# EAGLE board Mk4 Final Panel (EAGLE 9.0.1), part 15 of 18 (continued)
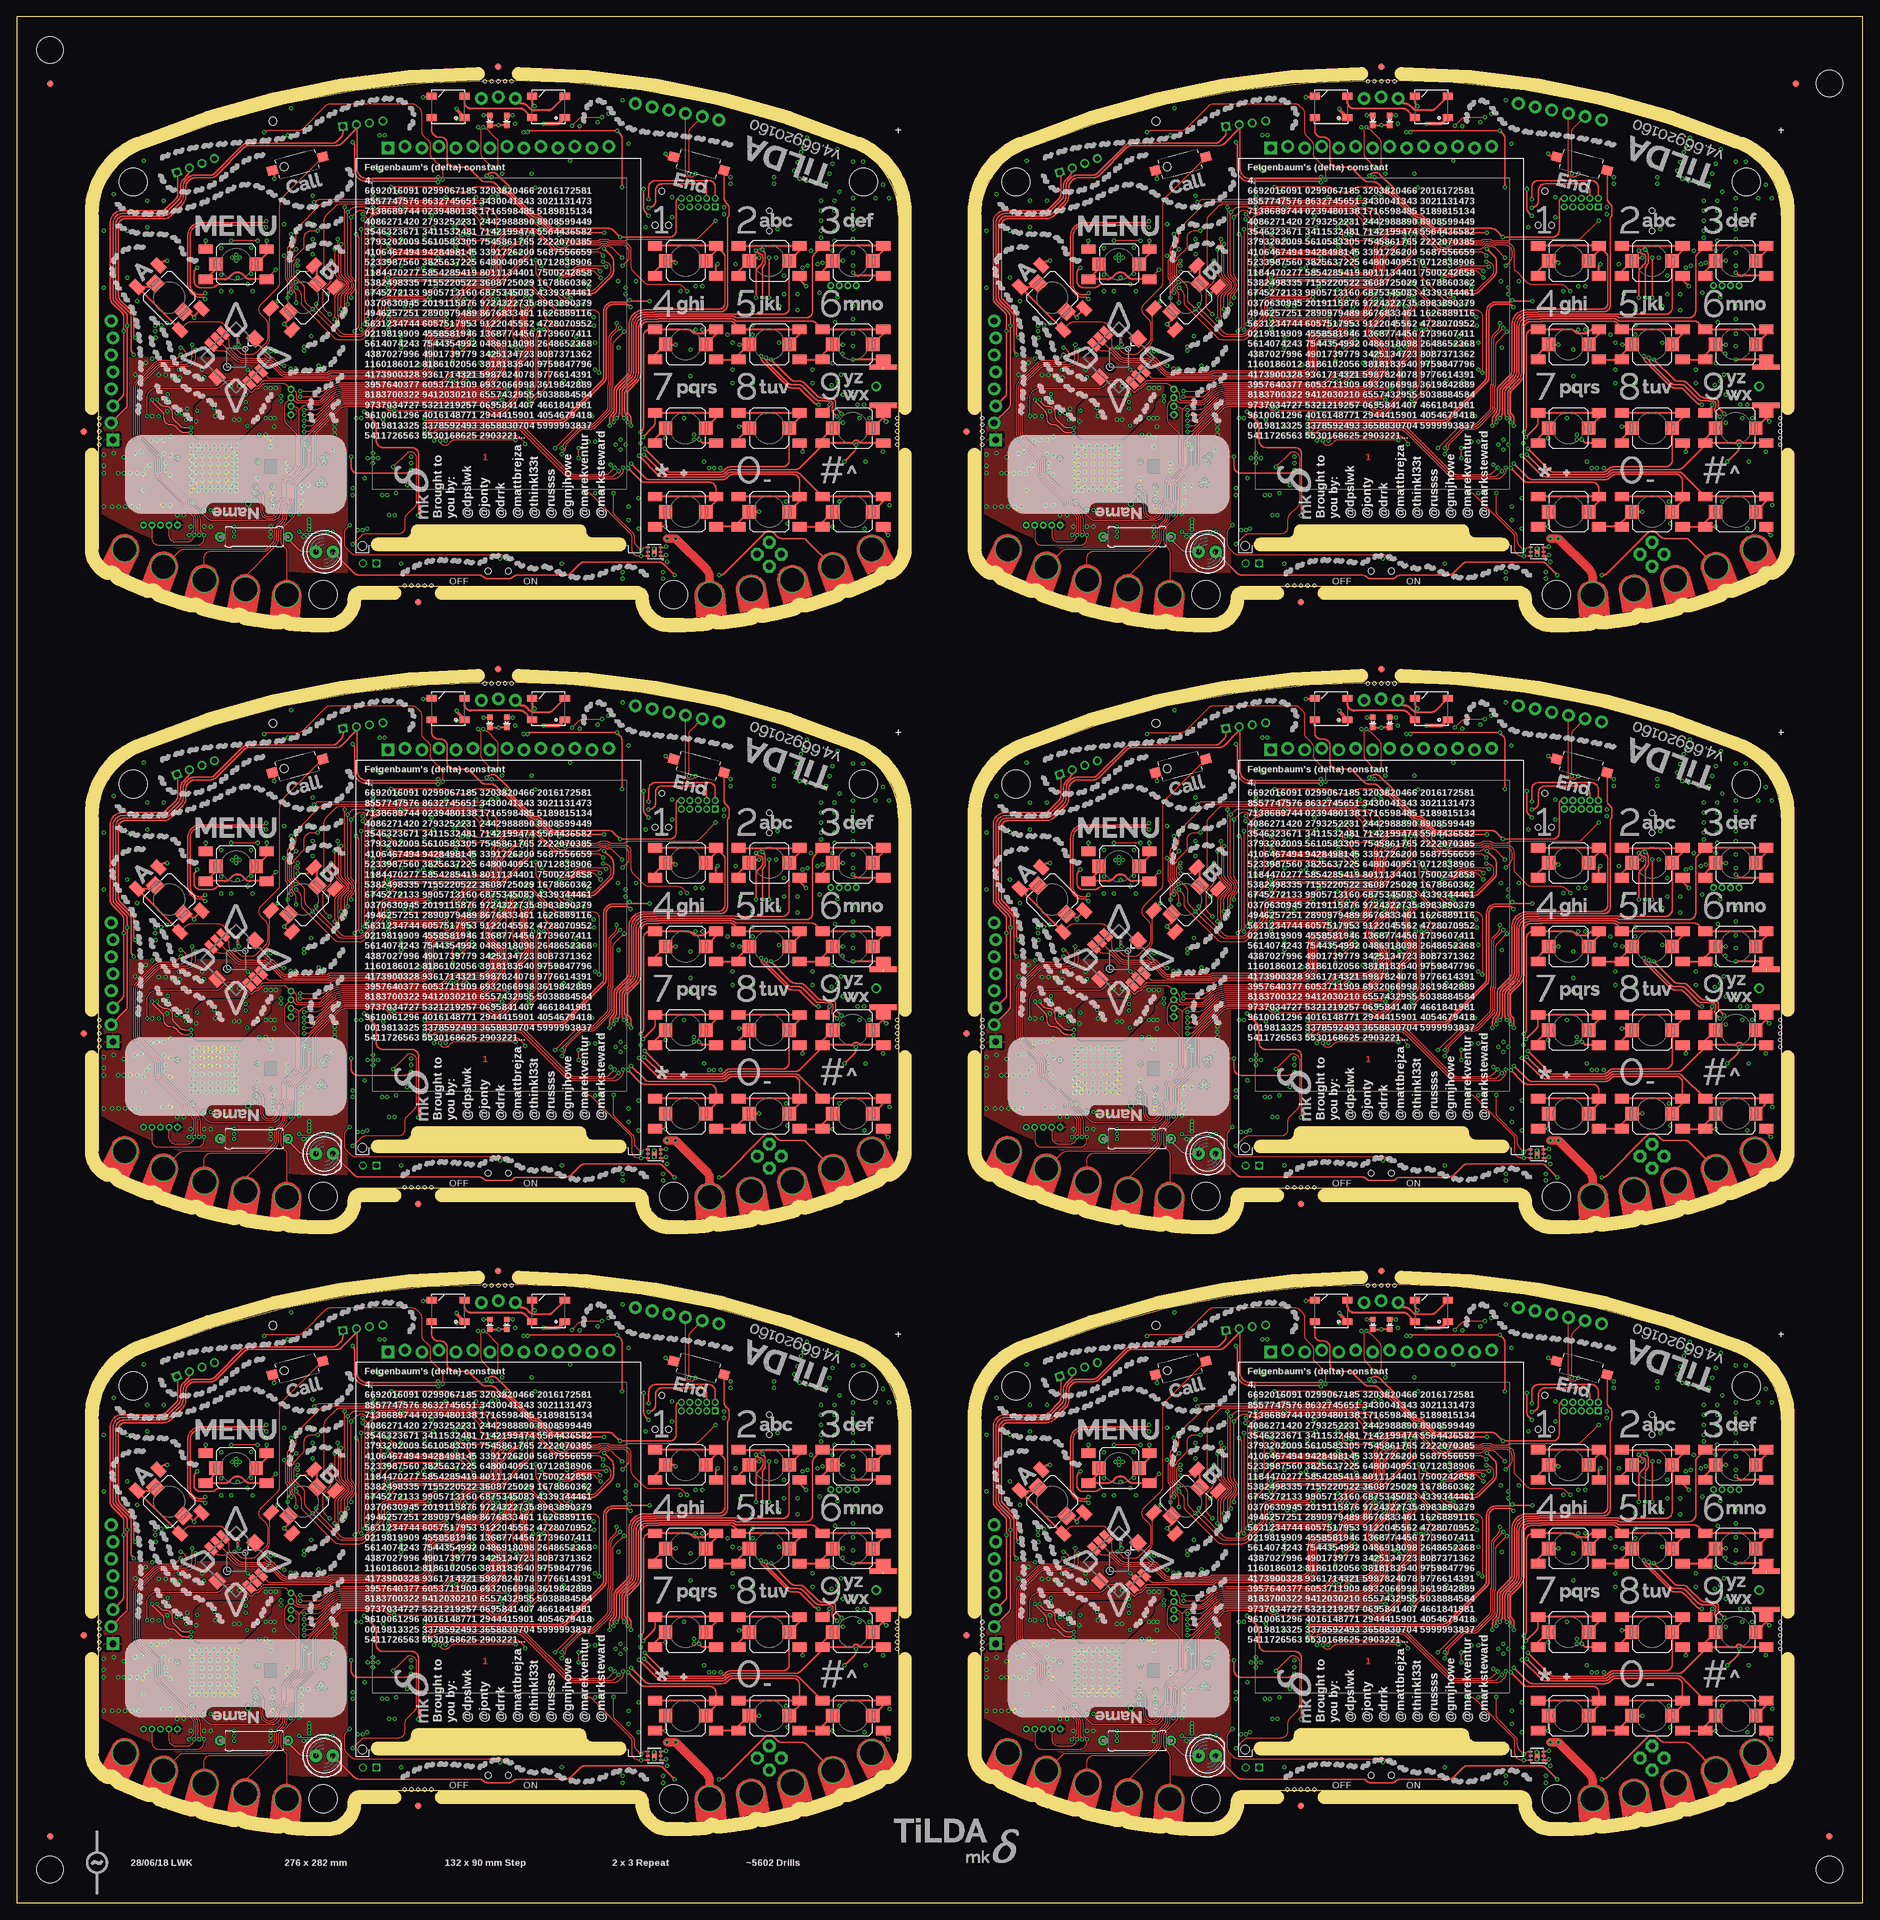
[diagram p0: board, top side]
## Tracks (layer width: path | path; a pad name or v marks a point on that pad's centre or on a via) (continued)
SSI3_FSS4  (via drill 0.3)
  3V3@2 0.15: v83.6,234.2 83.6,234.6 83.6,234.7 85.95,237.06 v86.25,237.06
  Bottom 0.15: IC74.6 76.2,234.9 arc90 77.2,233.9 82.49,233.9 arc45 82.85,234.05 82.85,234.05 arc-45 83.21,234.2 v83.6,234.2 | v86.25,237.06 IC76.1
SSI3_FSS5  (via drill 0.3)
  3V3@2 0.15: v215.6,234.2 215.6,234.6 215.6,234.7 217.96,237.06 v218.25,237.06
  Bottom 0.15: IC92.6 208.2,234.9 arc90 209.2,233.9 214.49,233.9 arc45 214.85,234.05 214.85,234.05 arc-45 215.21,234.2 v215.6,234.2 | v218.25,237.06 IC94.1
SW
  Bottom 0.25: IC9.6 45.1,26.35
  Bottom 0.5: 45.1,26.35 L4.1
SW1
  Bottom 0.25: IC33.6 177.1,26.35
  Bottom 0.5: 177.1,26.35 L11.1
SW2
  Bottom 0.25: IC51.6 45.1,116.35
  Bottom 0.5: 45.1,116.35 L20.1
SW3
  Bottom 0.25: IC69.6 177.1,116.35
  Bottom 0.5: 177.1,116.35 L29.1
SW4
  Bottom 0.25: IC87.6 45.1,206.35
  Bottom 0.5: 45.1,206.35 L38.1
SW5
  Bottom 0.25: IC105.6 177.1,206.35
  Bottom 0.5: 177.1,206.35 L47.1
SWCLK  (via drill 0.3)
  Top 0.2: J3.4 103.17,76 arc90 102.17,77 96.5,77 arc90 95.5,76 95.5,74.45 arc-90 94.55,73.5 v94.5,73.45
  Bottom 0.2: IC1.100 82.59,70 arc45 83.29,70.29 84.21,71.21 arc-45 84.91,71.5 90.69,71.5 arc45 91.39,71.79 92.76,73.16 arc-45 93.46,73.45 v94.5,73.45 94.59,73.36 JP4.4
SWCLK1  (via drill 0.3)
  Top 0.2: J13.4 235.17,76 arc90 234.17,77 228.5,77 arc90 227.5,76 227.5,74.45 arc-90 226.55,73.5 v226.5,73.45
  Bottom 0.2: IC20.100 214.59,70 arc45 215.29,70.29 216.21,71.21 arc-45 216.91,71.5 222.69,71.5 arc45 223.39,71.79 224.76,73.16 arc-45 225.46,73.45 v226.5,73.45 226.59,73.36 JP10.4
SWCLK2  (via drill 0.3)
  Top 0.2: J23.4 103.17,166 arc90 102.17,167 96.5,167 arc90 95.5,166 95.5,164.45 arc-90 94.55,163.5 v94.5,163.45
  Bottom 0.2: IC38.100 82.59,160 arc45 83.29,160.29 84.21,161.21 arc-45 84.91,161.5 90.69,161.5 arc45 91.39,161.79 92.76,163.16 arc-45 93.46,163.45 v94.5,163.45 94.59,163.36 JP19.4
SWCLK3  (via drill 0.3)
  Top 0.2: J33.4 235.17,166 arc90 234.17,167 228.5,167 arc90 227.5,166 227.5,164.45 arc-90 226.55,163.5 v226.5,163.45
  Bottom 0.2: IC56.100 214.59,160 arc45 215.29,160.29 216.21,161.21 arc-45 216.91,161.5 222.69,161.5 arc45 223.39,161.79 224.76,163.16 arc-45 225.46,163.45 v226.5,163.45 226.59,163.36 JP28.4
SWCLK4  (via drill 0.3)
  Top 0.2: J43.4 103.17,256 arc90 102.17,257 96.5,257 arc90 95.5,256 95.5,254.45 arc-90 94.55,253.5 v94.5,253.45
  Bottom 0.2: IC74.100 82.59,250 arc45 83.29,250.29 84.21,251.21 arc-45 84.91,251.5 90.69,251.5 arc45 91.39,251.79 92.76,253.16 arc-45 93.46,253.45 v94.5,253.45 94.59,253.36 JP37.4
SWCLK5  (via drill 0.3)
  Top 0.2: J53.4 235.17,256 arc90 234.17,257 228.5,257 arc90 227.5,256 227.5,254.45 arc-90 226.55,253.5 v226.5,253.45
  Bottom 0.2: IC92.100 214.59,250 arc45 215.29,250.29 216.21,251.21 arc-45 216.91,251.5 222.69,251.5 arc45 223.39,251.79 224.76,253.16 arc-45 225.46,253.45 v226.5,253.45 226.59,253.36 JP46.4
SWDIO  (via drill 0.3)
  Top 0.2: J3.2 104.44,76.5 arc90 103.44,77.5 95.5,77.5 arc90 94.5,76.5 v94.5,74.7
  Bottom 0.2: IC1.99 82.49,70.4 arc45 83.19,70.69 84.06,71.56 arc-45 84.76,71.85 90.44,71.85 arc45 91.14,72.14 93.41,74.41 arc-45 94.11,74.7 v94.5,74.7 94.57,74.63 JP4.2
SWDIO1  (via drill 0.3)
  Top 0.2: J13.2 236.44,76.5 arc90 235.44,77.5 227.5,77.5 arc90 226.5,76.5 v226.5,74.7
  Bottom 0.2: IC20.99 214.49,70.4 arc45 215.19,70.69 216.06,71.56 arc-45 216.76,71.85 222.44,71.85 arc45 223.14,72.14 225.41,74.41 arc-45 226.11,74.7 v226.5,74.7 226.57,74.63 JP10.2
SWDIO2  (via drill 0.3)
  Top 0.2: J23.2 104.44,166.5 arc90 103.44,167.5 95.5,167.5 arc90 94.5,166.5 v94.5,164.7
  Bottom 0.2: IC38.99 82.49,160.4 arc45 83.19,160.69 84.06,161.56 arc-45 84.76,161.85 90.44,161.85 arc45 91.14,162.14 93.41,164.41 arc-45 94.11,164.7 v94.5,164.7 94.57,164.63 JP19.2
SWDIO3  (via drill 0.3)
  Top 0.2: J33.2 236.44,166.5 arc90 235.44,167.5 227.5,167.5 arc90 226.5,166.5 v226.5,164.7
  Bottom 0.2: IC56.99 214.49,160.4 arc45 215.19,160.69 216.06,161.56 arc-45 216.76,161.85 222.44,161.85 arc45 223.14,162.14 225.41,164.41 arc-45 226.11,164.7 v226.5,164.7 226.57,164.63 JP28.2
SWDIO4  (via drill 0.3)
  Top 0.2: J43.2 104.44,256.5 arc90 103.44,257.5 95.5,257.5 arc90 94.5,256.5 v94.5,254.7
  Bottom 0.2: IC74.99 82.49,250.4 arc45 83.19,250.69 84.06,251.56 arc-45 84.76,251.85 90.44,251.85 arc45 91.14,252.14 93.41,254.41 arc-45 94.11,254.7 v94.5,254.7 94.57,254.63 JP37.2
SWDIO5  (via drill 0.3)
  Top 0.2: J53.2 236.44,256.5 arc90 235.44,257.5 227.5,257.5 arc90 226.5,256.5 v226.5,254.7
  Bottom 0.2: IC92.99 214.49,250.4 arc45 215.19,250.69 216.06,251.56 arc-45 216.76,251.85 222.44,251.85 arc45 223.14,252.14 225.41,254.41 arc-45 226.11,254.7 v226.5,254.7 226.57,254.63 JP46.2
SWO  (via drill 0.3)
  Top 0.2: v93.75,76.25 93.75,73.41 arc45 94.04,72.71 v94.5,72.25
  Bottom 0.2: J3.6 101.9,76.3 arc90 100.9,77.3 95.16,77.3 arc45 94.46,77.01 93.75,76.3 v93.75,76.25 93.75,75.75 90.89,72.89 arc-45 90.19,72.6 84.51,72.6 arc45 83.81,72.31 82.99,71.49 arc-45 82.29,71.2 81.78,71.2 arc-45 81.43,71.35 81.37,71.4 arc45 81.02,71.55 81,71.55 80.98,71.55 arc45 80.63,71.4 80.57,71.35 arc-45 80.22,71.2 IC1.97 | JP4.6 94.66,72.09 v94.5,72.25
SWO1  (via drill 0.3)
  Top 0.2: v225.75,76.25 225.75,73.41 arc45 226.04,72.71 v226.5,72.25
  Bottom 0.2: J13.6 233.9,76.3 arc90 232.9,77.3 227.16,77.3 arc45 226.46,77.01 225.75,76.3 v225.75,76.25 225.75,75.75 222.89,72.89 arc-45 222.19,72.6 216.51,72.6 arc45 215.81,72.31 214.99,71.49 arc-45 214.29,71.2 213.78,71.2 arc-45 213.43,71.35 213.37,71.4 arc45 213.02,71.55 213,71.55 212.98,71.55 arc45 212.63,71.4 212.57,71.35 arc-45 212.22,71.2 IC20.97 | JP10.6 226.66,72.09 v226.5,72.25
SWO2  (via drill 0.3)
  Top 0.2: v93.75,166.25 93.75,163.41 arc45 94.04,162.71 v94.5,162.25
  Bottom 0.2: J23.6 101.9,166.3 arc90 100.9,167.3 95.16,167.3 arc45 94.46,167.01 93.75,166.3 v93.75,166.25 93.75,165.75 90.89,162.89 arc-45 90.19,162.6 84.51,162.6 arc45 83.81,162.31 82.99,161.49 arc-45 82.29,161.2 81.78,161.2 arc-45 81.43,161.35 81.37,161.4 arc45 81.02,161.55 81,161.55 80.98,161.55 arc45 80.63,161.4 80.57,161.35 arc-45 80.22,161.2 IC38.97 | JP19.6 94.66,162.09 v94.5,162.25
SWO3  (via drill 0.3)
  Top 0.2: v225.75,166.25 225.75,163.41 arc45 226.04,162.71 v226.5,162.25
  Bottom 0.2: J33.6 233.9,166.3 arc90 232.9,167.3 227.16,167.3 arc45 226.46,167.01 225.75,166.3 v225.75,166.25 225.75,165.75 222.89,162.89 arc-45 222.19,162.6 216.51,162.6 arc45 215.81,162.31 214.99,161.49 arc-45 214.29,161.2 213.78,161.2 arc-45 213.43,161.35 213.37,161.4 arc45 213.02,161.55 213,161.55 212.98,161.55 arc45 212.63,161.4 212.57,161.35 arc-45 212.22,161.2 IC56.97 | JP28.6 226.66,162.09 v226.5,162.25
SWO4  (via drill 0.3)
  Top 0.2: v93.75,256.25 93.75,253.41 arc45 94.04,252.71 v94.5,252.25
  Bottom 0.2: J43.6 101.9,256.3 arc90 100.9,257.3 95.16,257.3 arc45 94.46,257.01 93.75,256.3 v93.75,256.25 93.75,255.75 90.89,252.89 arc-45 90.19,252.6 84.51,252.6 arc45 83.81,252.31 82.99,251.49 arc-45 82.29,251.2 81.78,251.2 arc-45 81.43,251.35 81.37,251.4 arc45 81.02,251.55 81,251.55 80.98,251.55 arc45 80.63,251.4 80.57,251.35 arc-45 80.22,251.2 IC74.97 | JP37.6 94.66,252.09 v94.5,252.25
SWO5  (via drill 0.3)
  Top 0.2: v225.75,256.25 225.75,253.41 arc45 226.04,252.71 v226.5,252.25
  Bottom 0.2: J53.6 233.9,256.3 arc90 232.9,257.3 227.16,257.3 arc45 226.46,257.01 225.75,256.3 v225.75,256.25 225.75,255.75 222.89,252.89 arc-45 222.19,252.6 216.51,252.6 arc45 215.81,252.31 214.99,251.49 arc-45 214.29,251.2 213.78,251.2 arc-45 213.43,251.35 213.37,251.4 arc45 213.02,251.55 213,251.55 212.98,251.55 arc45 212.63,251.4 212.57,251.35 arc-45 212.22,251.2 IC92.97 | JP46.6 226.66,252.09 v226.5,252.25
T3CCPO_WS1  (via drill 0.3)
  Top 0.2: v219.8,67.3 220.91,66.19 arc-45 221.2,65.49 221.2,63.91 arc-45 220.91,63.21 218.59,60.89 arc-45 217.89,60.6 v214.3,60.6 | v219.8,69.7 213.71,69.7 arc-45 213.57,69.76 213.39,69.94 arc45 213.25,70 212.32,70 arc-45 211.61,70.29 210,71.9 arc45 209.65,72.05 209.52,72.05 arc-45 208.82,72.34 205.46,75.7 arc45 205.21,75.8 arc-45 204.51,76.09 203.59,77.01 arc45 202.89,77.3 202.11,77.3 arc-45 201.41,77.59 199.79,79.21 arc45 199.09,79.5 197.36,79.5 arc-90 196.36,80.5 196.36,83 arc90 195.36,84 195.05,84 arc-90 194.05,85 LED7.4
  Bottom 0.2: v219.8,69.7 v219.8,67.3 | v214.3,60.6 214.17,60.47 arc-45 213.82,60.33 213.57,60.33 arc45 213.22,60.18 213.19,60.15 arc-45 212.83,60 IC20.125
T3CCPO_WS2  (via drill 0.3)
  Top 0.2: v87.8,157.3 88.91,156.19 arc-45 89.2,155.49 89.2,153.91 arc-45 88.91,153.21 86.59,150.89 arc-45 85.89,150.6 v82.3,150.6 | v87.8,159.7 81.71,159.7 arc-45 81.57,159.76 81.39,159.94 arc45 81.25,160 80.32,160 arc-45 79.61,160.29 78,161.9 arc45 77.64,162.05 77.52,162.05 arc-45 76.82,162.34 73.46,165.7 arc45 73.21,165.8 arc-45 72.51,166.09 71.59,167.01 arc45 70.89,167.3 70.11,167.3 arc-45 69.41,167.59 67.79,169.21 arc45 67.09,169.5 65.36,169.5 arc-90 64.36,170.5 64.36,173 arc90 63.36,174 63.05,174 arc-90 62.05,175 LED13.4
  Bottom 0.2: v87.8,159.7 v87.8,157.3 | v82.3,150.6 82.17,150.47 arc-45 81.82,150.32 81.57,150.32 arc45 81.22,150.18 81.19,150.15 arc-45 80.83,150 IC38.125
T3CCPO_WS3  (via drill 0.3)
  Top 0.2: v219.8,157.3 220.91,156.19 arc-45 221.2,155.49 221.2,153.91 arc-45 220.91,153.21 218.59,150.89 arc-45 217.89,150.6 v214.3,150.6 | v219.8,159.7 213.71,159.7 arc-45 213.57,159.76 213.39,159.94 arc45 213.25,160 212.32,160 arc-45 211.61,160.29 210,161.9 arc45 209.65,162.05 209.52,162.05 arc-45 208.82,162.34 205.46,165.7 arc45 205.21,165.8 arc-45 204.51,166.09 203.59,167.01 arc45 202.89,167.3 202.11,167.3 arc-45 201.41,167.59 199.79,169.21 arc45 199.09,169.5 197.36,169.5 arc-90 196.36,170.5 196.36,173 arc90 195.36,174 195.05,174 arc-90 194.05,175 LED19.4
  Bottom 0.2: v219.8,159.7 v219.8,157.3 | v214.3,150.6 214.17,150.47 arc-45 213.82,150.32 213.57,150.32 arc45 213.22,150.18 213.19,150.15 arc-45 212.83,150 IC56.125
T3CCPO_WS4  (via drill 0.3)
  Top 0.2: v87.8,247.3 88.91,246.19 arc-45 89.2,245.49 89.2,243.91 arc-45 88.91,243.21 86.59,240.89 arc-45 85.89,240.6 v82.3,240.6 | v87.8,249.7 81.71,249.7 arc-45 81.57,249.76 81.39,249.94 arc45 81.25,250 80.32,250 arc-45 79.61,250.29 78,251.9 arc45 77.64,252.05 77.52,252.05 arc-45 76.82,252.34 73.46,255.7 arc45 73.21,255.8 arc-45 72.51,256.09 71.59,257.01 arc45 70.89,257.3 70.11,257.3 arc-45 69.41,257.59 67.79,259.21 arc45 67.09,259.5 65.36,259.5 arc-90 64.36,260.5 64.36,263 arc90 63.36,264 63.05,264 arc-90 62.05,265 LED25.4
  Bottom 0.2: v87.8,249.7 v87.8,247.3 | v82.3,240.6 82.17,240.47 arc-45 81.82,240.32 81.57,240.32 arc45 81.22,240.18 81.19,240.15 arc-45 80.83,240 IC74.125
T3CCPO_WS5  (via drill 0.3)
  Top 0.2: v219.8,247.3 220.91,246.19 arc-45 221.2,245.49 221.2,243.91 arc-45 220.91,243.21 218.59,240.89 arc-45 217.89,240.6 v214.3,240.6 | v219.8,249.7 213.71,249.7 arc-45 213.57,249.76 213.39,249.94 arc45 213.25,250 212.32,250 arc-45 211.61,250.29 210,251.9 arc45 209.65,252.05 209.52,252.05 arc-45 208.82,252.34 205.46,255.7 arc45 205.21,255.8 arc-45 204.51,256.09 203.59,257.01 arc45 202.89,257.3 202.11,257.3 arc-45 201.41,257.59 199.79,259.21 arc45 199.09,259.5 197.36,259.5 arc-90 196.36,260.5 196.36,263 arc90 195.36,264 195.05,264 arc-90 194.05,265 LED31.4
  Bottom 0.2: v219.8,249.7 v219.8,247.3 | v214.3,240.6 214.17,240.47 arc-45 213.82,240.32 213.57,240.32 arc45 213.22,240.18 213.19,240.15 arc-45 212.83,240 IC92.125
T3CCPO_WS2812  (via drill 0.3)
  Top 0.2: v87.8,67.3 88.91,66.19 arc-45 89.2,65.49 89.2,63.91 arc-45 88.91,63.21 86.59,60.89 arc-45 85.89,60.6 v82.3,60.6 | v87.8,69.7 81.71,69.7 arc-45 81.57,69.76 81.39,69.94 arc45 81.25,70 80.32,70 arc-45 79.61,70.29 78,71.9 arc45 77.64,72.05 77.52,72.05 arc-45 76.82,72.34 73.46,75.7 arc45 73.21,75.8 arc-45 72.51,76.09 71.59,77.01 arc45 70.89,77.3 70.11,77.3 arc-45 69.41,77.59 67.79,79.21 arc45 67.09,79.5 65.36,79.5 arc-90 64.36,80.5 64.36,83 arc90 63.36,84 63.05,84 arc-90 62.05,85 LED1.4
  Bottom 0.2: v87.8,69.7 v87.8,67.3 | v82.3,60.6 82.17,60.47 arc-45 81.82,60.33 81.57,60.33 arc45 81.22,60.18 81.19,60.15 arc-45 80.83,60 IC1.125
T4CCP0  (via drill 0.3)
  Top 0.15: v77,59.2 76.72,58.92 arc45 76.58,58.57 arc-45 76.46,58.3 76.19,58.03 arc45 75.9,57.32 75.9,54.61 arc45 76.19,53.91 76.42,53.68 arc-45 76.6,53.24 76.62,53.22 76.62,52.55 arc-45 76.19,51.49 75.17,50.47 arc45 74.8,49.58 74.8,45.72 arc-45 74.43,44.83 72.87,43.27 arc-45 71.98,42.9 71.41,42.9 arc-45 70.71,43.19 70.29,43.61 arc45 69.59,43.9 56.26,43.9 arc45 55.9,43.75 v55.8,43.65 55.74,43.71 arc45 55.04,44 49.07,44 arc45 48.19,43.63 44.67,40.11 arc45 44.3,39.23 44.3,35.41 arc-45 44.01,34.71 41.67,32.37 arc45 41.3,31.48 41.3,30.01 arc-45 40.69,28.54 arc45 40.4,27.84 40.4,27.3 arc-45 39.96,26.24 39.52,25.79 arc45 39.15,24.91 39.15,23.97 arc-45 38.71,22.91 34.2,18.4 PCB.CH2
  3V3@2 0.15: PCB.CH2 | v22.4,56.2 22.4,55.9 22,55.5 22,53.5 21,52.5 19.5,52.5 18.6,51.6 18.6,50.6 14.37,46.37 JP6.4
  Bottom 0.15: v55.8,43.65 arc-45 55.29,43.86 52.34,46.81 arc45 50.92,47.4 45.23,47.4 arc-45 44.52,47.69 40.93,51.29 arc-45 40.8,51.6 40.8,51.75 arc90 39.05,53.5 36.06,53.5 arc-45 35.36,53.79 33.76,55.39 arc45 32.52,55.9 23.11,55.9 arc-45 v22.41,56.19 v22.4,56.2
  Bottom 0.2: v77,59.2 77.44,59.63 arc-90 78.14,59.63 78.43,59.35 arc45 78.78,59.2 IC1.127
T4CCP1  (via drill 0.3)
  Top 0.15: PCB.CH1 40.38,21.9 arc45 40.09,22.61 39.74,22.96 arc-45 39.45,23.66 39.45,24.89 arc-45 39.74,25.59 41.27,27.12 arc45 41.6,27.91 41.6,31.46 arc-45 41.89,32.17 44.23,34.51 arc45 44.6,35.39 44.6,39.21 arc-45 44.89,39.92 48.38,43.41 arc-45 49.09,43.7 54.59,43.7 arc-45 55.29,43.41 55.45,43.25 arc45 55.81,43.1 v56.4,43.1 62,43.1 62.05,43.05 69.94,43.05 arc-45 70.64,42.76 arc45 71.02,42.6 72.08,42.6 arc45 73.14,43.04 74.66,44.56 arc45 75.1,45.62 75.1,49.49 arc-45 75.39,50.19 76.41,51.21 arc45 76.92,52.45 76.92,53.34 76.9,53.37 arc45 76.66,53.94 76.49,54.11 arc-45 76.2,54.81 76.2,57.19 arc-45 76.49,57.89 v77.8,59.2
  3V3@2 0.15: v21.6,55.9 21.6,53.6 21,53 19,53 18.25,52.25 18.25,51 16.16,48.91 JP6.5
  Bottom 0.15: v56.4,43.1 55.81,43.1 arc-45 55.45,43.25 52.11,46.59 arc45 50.88,47.1 45.11,47.1 arc-45 44.4,47.39 40.65,51.15 arc-45 40.5,51.5 40.5,51.7 arc90 39,53.2 36.02,53.2 arc-45 35.13,53.57 33.54,55.16 arc45 32.48,55.6 22.31,55.6 arc-45 v21.61,55.89 v21.6,55.9
  Bottom 0.2: IC1.128 78.41,58.8 arc-45 78.05,58.95 v77.8,59.2
T4CCP2  (via drill 0.3)
  Top 0.15: v209,59.2 208.72,58.92 arc45 208.57,58.57 arc-45 208.46,58.3 208.19,58.03 arc45 207.9,57.32 207.9,54.61 arc45 208.19,53.91 208.42,53.68 arc-45 208.6,53.24 208.62,53.22 208.62,52.55 arc-45 208.19,51.49 207.17,50.47 arc45 206.8,49.58 206.8,45.72 arc-45 206.43,44.83 204.87,43.27 arc-45 203.98,42.9 203.41,42.9 arc-45 202.71,43.19 202.29,43.61 arc45 201.59,43.9 188.26,43.9 arc45 187.9,43.75 v187.8,43.65 187.74,43.71 arc45 187.04,44 181.07,44 arc45 180.19,43.63 176.67,40.11 arc45 176.3,39.23 176.3,35.41 arc-45 176.01,34.71 173.67,32.37 arc45 173.3,31.48 173.3,30.01 arc-45 172.69,28.54 arc45 172.4,27.84 172.4,27.3 arc-45 171.96,26.24 171.52,25.79 arc45 171.15,24.91 171.15,23.97 arc-45 170.71,22.91 166.2,18.4 PCB1.CH2
  3V3@2 0.15: PCB1.CH2 | v154.4,56.2 154.4,55.9 154,55.5 154,53.5 153,52.5 151.5,52.5 150.6,51.6 150.6,50.6 146.37,46.37 JP17.4
  Bottom 0.15: v187.8,43.65 arc-45 187.29,43.86 184.34,46.81 arc45 182.92,47.4 177.23,47.4 arc-45 176.52,47.69 172.93,51.29 arc-45 172.8,51.6 172.8,51.75 arc90 171.05,53.5 168.06,53.5 arc-45 167.36,53.79 165.76,55.39 arc45 164.53,55.9 155.11,55.9 arc-45 v154.41,56.19 v154.4,56.2
  Bottom 0.2: v209,59.2 209.44,59.63 arc-90 210.14,59.63 210.43,59.35 arc45 210.78,59.2 IC20.127
T4CCP3  (via drill 0.3)
  Top 0.15: PCB1.CH1 172.38,21.9 arc45 172.09,22.61 171.74,22.96 arc-45 171.45,23.66 171.45,24.89 arc-45 171.74,25.59 173.28,27.12 arc45 173.6,27.91 173.6,31.46 arc-45 173.89,32.17 176.23,34.51 arc45 176.6,35.39 176.6,39.21 arc-45 176.89,39.92 180.38,43.41 arc-45 181.09,43.7 186.59,43.7 arc-45 187.29,43.41 187.45,43.25 arc45 187.81,43.1 v188.4,43.1 194,43.1 194.05,43.05 201.94,43.05 arc-45 202.64,42.76 arc45 203.02,42.6 204.08,42.6 arc45 205.14,43.04 206.66,44.56 arc45 207.1,45.62 207.1,49.49 arc-45 207.39,50.19 208.41,51.21 arc45 208.93,52.45 208.93,53.34 208.9,53.37 arc45 208.66,53.94 208.49,54.11 arc-45 208.2,54.81 208.2,57.19 arc-45 208.49,57.89 v209.8,59.2
  3V3@2 0.15: v153.6,55.9 153.6,53.6 153,53 151,53 150.25,52.25 150.25,51 148.16,48.91 JP17.5
  Bottom 0.15: v188.4,43.1 187.81,43.1 arc-45 187.45,43.25 184.11,46.59 arc45 182.88,47.1 177.11,47.1 arc-45 176.4,47.39 172.65,51.15 arc-45 172.5,51.5 172.5,51.7 arc90 171,53.2 168.02,53.2 arc-45 167.13,53.57 165.54,55.16 arc45 164.48,55.6 154.31,55.6 arc-45 v153.61,55.89 v153.6,55.9
  Bottom 0.2: IC20.128 210.41,58.8 arc-45 210.05,58.95 v209.8,59.2
T4CCP4  (via drill 0.3)
  Top 0.15: v77,149.2 76.72,148.92 arc45 76.58,148.57 arc-45 76.46,148.29 76.19,148.03 arc45 75.9,147.32 75.9,144.61 arc45 76.19,143.91 76.42,143.68 arc-45 76.6,143.24 76.62,143.22 76.62,142.55 arc-45 76.19,141.49 75.17,140.47 arc45 74.8,139.58 74.8,135.72 arc-45 74.43,134.83 72.87,133.27 arc-45 71.98,132.9 71.41,132.9 arc-45 70.71,133.19 70.29,133.61 arc45 69.59,133.9 56.26,133.9 arc45 55.9,133.75 v55.8,133.65 55.74,133.71 arc45 55.04,134 49.07,134 arc45 48.19,133.63 44.67,130.12 arc45 44.3,129.23 44.3,125.41 arc-45 44.01,124.71 41.67,122.37 arc45 41.3,121.48 41.3,120.01 arc-45 40.69,118.54 arc45 40.4,117.84 40.4,117.3 arc-45 39.96,116.24 39.52,115.79 arc45 39.15,114.91 39.15,113.97 arc-45 38.71,112.91 34.2,108.4 PCB2.CH2
  3V3@2 0.15: PCB2.CH2 | v22.4,146.2 22.4,145.9 22,145.5 22,143.5 21,142.5 19.5,142.5 18.6,141.6 18.6,140.6 14.37,136.37 JP26.4
  Bottom 0.15: v55.8,133.65 arc-45 55.29,133.86 52.34,136.81 arc45 50.92,137.4 45.23,137.4 arc-45 44.52,137.69 40.93,141.29 arc-45 40.8,141.6 40.8,141.75 arc90 39.05,143.5 36.06,143.5 arc-45 35.36,143.79 33.76,145.39 arc45 32.52,145.9 23.11,145.9 arc-45 v22.41,146.19 v22.4,146.2
  Bottom 0.2: v77,149.2 77.44,149.63 arc-90 78.14,149.63 78.43,149.35 arc45 78.78,149.2 IC38.127
T4CCP5  (via drill 0.3)
  Top 0.15: PCB2.CH1 40.38,111.9 arc45 40.09,112.61 39.74,112.96 arc-45 39.45,113.66 39.45,114.89 arc-45 39.74,115.59 41.27,117.12 arc45 41.6,117.91 41.6,121.46 arc-45 41.89,122.17 44.23,124.51 arc45 44.6,125.39 44.6,129.21 arc-45 44.89,129.92 48.38,133.41 arc-45 49.09,133.7 54.59,133.7 arc-45 55.29,133.41 55.45,133.25 arc45 55.81,133.1 v56.4,133.1 62,133.1 62.05,133.05 69.94,133.05 arc-45 70.64,132.76 arc45 71.02,132.6 72.08,132.6 arc45 73.14,133.04 74.66,134.56 arc45 75.1,135.62 75.1,139.49 arc-45 75.39,140.19 76.41,141.21 arc45 76.92,142.45 76.92,143.34 76.9,143.37 arc45 76.66,143.94 76.49,144.11 arc-45 76.2,144.81 76.2,147.19 arc-45 76.49,147.89 v77.8,149.2
  3V3@2 0.15: v21.6,145.9 21.6,143.6 21,143 19,143 18.25,142.25 18.25,141 16.16,138.91 JP26.5
  Bottom 0.15: v56.4,133.1 55.81,133.1 arc-45 55.45,133.25 52.11,136.59 arc45 50.88,137.1 45.11,137.1 arc-45 44.4,137.39 40.65,141.15 arc-45 40.5,141.5 40.5,141.7 arc90 39,143.2 36.02,143.2 arc-45 35.13,143.57 33.54,145.16 arc45 32.48,145.6 22.31,145.6 arc-45 v21.61,145.89 v21.6,145.9
  Bottom 0.2: IC38.128 78.41,148.8 arc-45 78.05,148.95 v77.8,149.2
T4CCP6  (via drill 0.3)
  Top 0.15: v209,149.2 208.72,148.92 arc45 208.57,148.57 arc-45 208.46,148.29 208.19,148.03 arc45 207.9,147.32 207.9,144.61 arc45 208.19,143.91 208.42,143.68 arc-45 208.6,143.24 208.62,143.22 208.62,142.55 arc-45 208.19,141.49 207.17,140.47 arc45 206.8,139.58 206.8,135.72 arc-45 206.43,134.83 204.87,133.27 arc-45 203.98,132.9 203.41,132.9 arc-45 202.71,133.19 202.29,133.61 arc45 201.59,133.9 188.26,133.9 arc45 187.9,133.75 v187.8,133.65 187.74,133.71 arc45 187.04,134 181.07,134 arc45 180.19,133.63 176.67,130.12 arc45 176.3,129.23 176.3,125.41 arc-45 176.01,124.71 173.67,122.37 arc45 173.3,121.48 173.3,120.01 arc-45 172.69,118.54 arc45 172.4,117.84 172.4,117.3 arc-45 171.96,116.24 171.52,115.79 arc45 171.15,114.91 171.15,113.97 arc-45 170.71,112.91 166.2,108.4 PCB3.CH2
  3V3@2 0.15: PCB3.CH2 | v154.4,146.2 154.4,145.9 154,145.5 154,143.5 153,142.5 151.5,142.5 150.6,141.6 150.6,140.6 146.37,136.37 JP35.4
  Bottom 0.15: v187.8,133.65 arc-45 187.29,133.86 184.34,136.81 arc45 182.92,137.4 177.23,137.4 arc-45 176.52,137.69 172.93,141.29 arc-45 172.8,141.6 172.8,141.75 arc90 171.05,143.5 168.06,143.5 arc-45 167.36,143.79 165.76,145.39 arc45 164.53,145.9 155.11,145.9 arc-45 v154.41,146.19 v154.4,146.2
  Bottom 0.2: v209,149.2 209.44,149.63 arc-90 210.14,149.63 210.43,149.35 arc45 210.78,149.2 IC56.127
T4CCP7  (via drill 0.3)
  Top 0.15: PCB3.CH1 172.38,111.9 arc45 172.09,112.61 171.74,112.96 arc-45 171.45,113.66 171.45,114.89 arc-45 171.74,115.59 173.28,117.12 arc45 173.6,117.91 173.6,121.46 arc-45 173.89,122.17 176.23,124.51 arc45 176.6,125.39 176.6,129.21 arc-45 176.89,129.92 180.38,133.41 arc-45 181.09,133.7 186.59,133.7 arc-45 187.29,133.41 187.45,133.25 arc45 187.81,133.1 v188.4,133.1 194,133.1 194.05,133.05 201.94,133.05 arc-45 202.64,132.76 arc45 203.02,132.6 204.08,132.6 arc45 205.14,133.04 206.66,134.56 arc45 207.1,135.62 207.1,139.49 arc-45 207.39,140.19 208.41,141.21 arc45 208.93,142.45 208.93,143.34 208.9,143.37 arc45 208.66,143.94 208.49,144.11 arc-45 208.2,144.81 208.2,147.19 arc-45 208.49,147.89 v209.8,149.2
  3V3@2 0.15: v153.6,145.9 153.6,143.6 153,143 151,143 150.25,142.25 150.25,141 148.16,138.91 JP35.5
  Bottom 0.15: v188.4,133.1 187.81,133.1 arc-45 187.45,133.25 184.11,136.59 arc45 182.88,137.1 177.11,137.1 arc-45 176.4,137.39 172.65,141.15 arc-45 172.5,141.5 172.5,141.7 arc90 171,143.2 168.02,143.2 arc-45 167.13,143.57 165.54,145.16 arc45 164.48,145.6 154.31,145.6 arc-45 v153.61,145.89 v153.6,145.9
  Bottom 0.2: IC56.128 210.41,148.8 arc-45 210.05,148.95 v209.8,149.2
T4CCP8  (via drill 0.3)
  Top 0.15: v77,239.2 76.72,238.92 arc45 76.58,238.57 arc-45 76.46,238.29 76.19,238.03 arc45 75.9,237.32 75.9,234.61 arc45 76.19,233.91 76.42,233.68 arc-45 76.6,233.24 76.62,233.22 76.62,232.55 arc-45 76.19,231.49 75.17,230.47 arc45 74.8,229.58 74.8,225.72 arc-45 74.43,224.83 72.87,223.27 arc-45 71.98,222.9 71.41,222.9 arc-45 70.71,223.19 70.29,223.61 arc45 69.59,223.9 56.26,223.9 arc45 55.9,223.75 v55.8,223.65 55.74,223.71 arc45 55.04,224 49.07,224 arc45 48.19,223.63 44.67,220.12 arc45 44.3,219.23 44.3,215.41 arc-45 44.01,214.71 41.67,212.37 arc45 41.3,211.48 41.3,210.01 arc-45 40.69,208.54 arc45 40.4,207.84 40.4,207.3 arc-45 39.96,206.24 39.52,205.79 arc45 39.15,204.91 39.15,203.97 arc-45 38.71,202.91 34.2,198.4 PCB4.CH2
  3V3@2 0.15: PCB4.CH2 | v22.4,236.2 22.4,235.9 22,235.5 22,233.5 21,232.5 19.5,232.5 18.6,231.6 18.6,230.6 14.37,226.37 JP44.4
  Bottom 0.15: v55.8,223.65 arc-45 55.29,223.86 52.34,226.81 arc45 50.92,227.4 45.23,227.4 arc-45 44.52,227.69 40.93,231.29 arc-45 40.8,231.6 40.8,231.75 arc90 39.05,233.5 36.06,233.5 arc-45 35.36,233.79 33.76,235.39 arc45 32.52,235.9 23.11,235.9 arc-45 v22.41,236.19 v22.4,236.2
  Bottom 0.2: v77,239.2 77.44,239.63 arc-90 78.14,239.63 78.43,239.35 arc45 78.78,239.2 IC74.127
T4CCP9  (via drill 0.3)
  Top 0.15: PCB4.CH1 40.38,201.9 arc45 40.09,202.61 39.74,202.96 arc-45 39.45,203.66 39.45,204.89 arc-45 39.74,205.59 41.27,207.12 arc45 41.6,207.91 41.6,211.46 arc-45 41.89,212.17 44.23,214.51 arc45 44.6,215.39 44.6,219.21 arc-45 44.89,219.92 48.38,223.41 arc-45 49.09,223.7 54.59,223.7 arc-45 55.29,223.41 55.45,223.25 arc45 55.81,223.1 v56.4,223.1 62,223.1 62.05,223.05 69.94,223.05 arc-45 70.64,222.76 arc45 71.02,222.6 72.08,222.6 arc45 73.14,223.04 74.66,224.56 arc45 75.1,225.62 75.1,229.49 arc-45 75.39,230.19 76.41,231.21 arc45 76.92,232.45 76.92,233.34 76.9,233.37 arc45 76.66,233.94 76.49,234.11 arc-45 76.2,234.81 76.2,237.19 arc-45 76.49,237.89 v77.8,239.2
  3V3@2 0.15: v21.6,235.9 21.6,233.6 21,233 19,233 18.25,232.25 18.25,231 16.16,228.91 JP44.5
  Bottom 0.15: v56.4,223.1 55.81,223.1 arc-45 55.45,223.25 52.11,226.59 arc45 50.88,227.1 45.11,227.1 arc-45 44.4,227.39 40.65,231.15 arc-45 40.5,231.5 40.5,231.7 arc90 39,233.2 36.02,233.2 arc-45 35.13,233.57 33.54,235.16 arc45 32.48,235.6 22.31,235.6 arc-45 v21.61,235.89 v21.6,235.9
  Bottom 0.2: IC74.128 78.41,238.8 arc-45 78.05,238.95 v77.8,239.2
T4CCP10  (via drill 0.3)
  Top 0.15: v209,239.2 208.72,238.92 arc45 208.57,238.57 arc-45 208.46,238.29 208.19,238.03 arc45 207.9,237.32 207.9,234.61 arc45 208.19,233.91 208.42,233.68 arc-45 208.6,233.24 208.62,233.22 208.62,232.55 arc-45 208.19,231.49 207.17,230.47 arc45 206.8,229.58 206.8,225.72 arc-45 206.43,224.83 204.87,223.27 arc-45 203.98,222.9 203.41,222.9 arc-45 202.71,223.19 202.29,223.61 arc45 201.59,223.9 188.26,223.9 arc45 187.9,223.75 v187.8,223.65 187.74,223.71 arc45 187.04,224 181.07,224 arc45 180.19,223.63 176.67,220.12 arc45 176.3,219.23 176.3,215.41 arc-45 176.01,214.71 173.67,212.37 arc45 173.3,211.48 173.3,210.01 arc-45 172.69,208.54 arc45 172.4,207.84 172.4,207.3 arc-45 171.96,206.24 171.52,205.79 arc45 171.15,204.91 171.15,203.97 arc-45 170.71,202.91 166.2,198.4 PCB5.CH2
  3V3@2 0.15: PCB5.CH2 | v154.4,236.2 154.4,235.9 154,235.5 154,233.5 153,232.5 151.5,232.5 150.6,231.6 150.6,230.6 146.37,226.37 JP53.4